# KiCad board HYDRA_VMM3_Adapter.kicad_pcb
title: HYDRA TPC to VMM3 adapter; date: 2024-04-23; rev: 0; company: TU Darmstadt; note: AUTOR: Alexandru Enciu
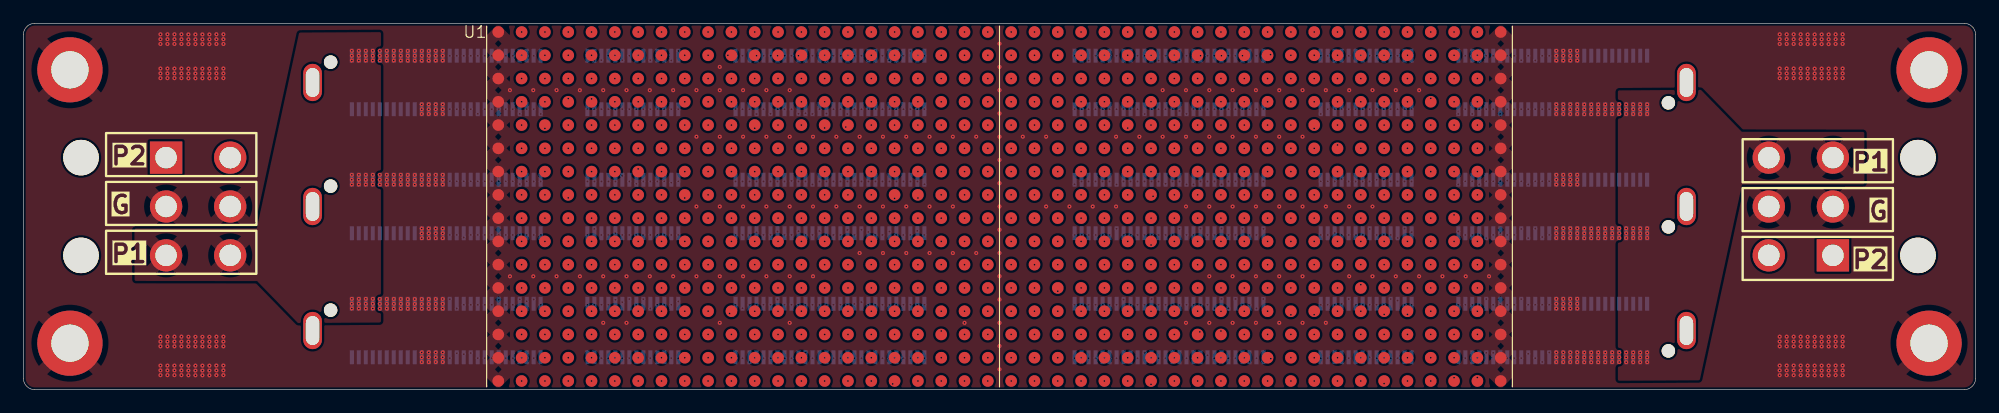
[diagram p0: board, top side]
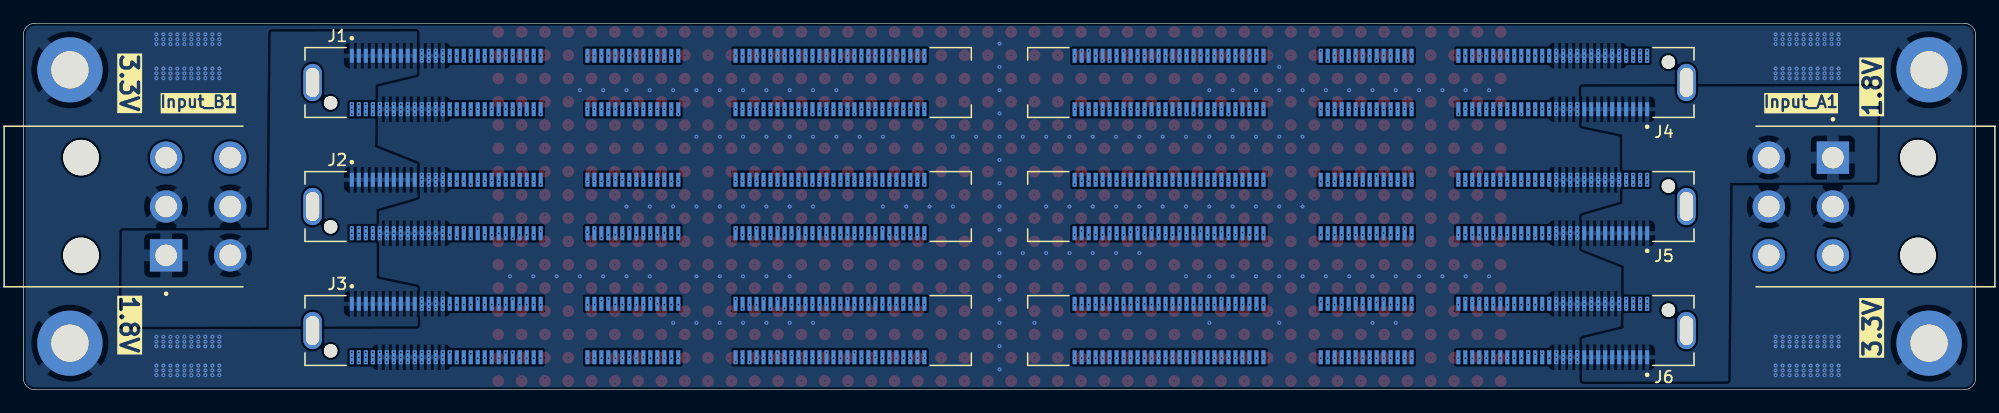
[diagram p1: board, bottom side, seen from below]

Outline 167.5 x 31.5 mm; copper layers: Top (plane), In1.Cu, In2.Cu (plane), In3.Cu, In4.Cu (plane), In5.Cu, In6.Cu (plane), Bottom (plane). Coordinates in mm from the lower left corner of the outline.
Outline path: 0,30.5 arc(0.29,31.21) 1,31.5 166.5,31.5 arc(167.21,31.21) 167.5,30.5 167.5,1 arc(167.21,0.29) 166.5,0 1,0 arc(0.29,0.29) 0,1 0,30.5
Stack: Top 0.035mm / dielectric 0.14mm FR4 er 4.5 / In1.Cu 0.035mm / dielectric 0.2mm FR4 er 4.5 / In2.Cu 0.035mm / dielectric 0.255mm FR4 er 4.5 / In3.Cu 0.035mm / dielectric 0.2mm FR4 er 4.5 / In4.Cu 0.035mm / dielectric 0.255mm FR4 er 4.5 / In5.Cu 0.035mm / dielectric 0.2mm FR4 er 4.5 / In6.Cu 0.035mm / dielectric 0.14mm FR4 er 4.5 / Bottom 0.035mm

## Placement (name value [footprint] x y rotation side)
Input_A1  39-30-1060  [MOLEX_39-30-1060]  15 15.75 90 bottom
Input_B1  39-30-1060  [MOLEX_39-30-1060]  152.5 15.75 270 bottom
J1  ME1014010101011  [AMPHENOL_ME1014010101011]  114.75 26.41 180 bottom
J2  ME1014010101011  [AMPHENOL_ME1014010101011]  114.75 15.75 180 bottom
J3  ME1014010101011  [AMPHENOL_ME1014010101011]  114.75 5.09 180 bottom
J4  ME1014010101011  [AMPHENOL_ME1014010101011]  52.75 26.41 0 bottom
J5  ME1014010101011  [AMPHENOL_ME1014010101011]  52.75 15.75 0 bottom
J6  ME1014010101011  [AMPHENOL_ME1014010101011]  52.75 5.09 0 bottom
J7  Conn_01x01_Socket  [MountingHole_3.2mm_M3_DIN965_Pad]  4 4 0 top
J8  Conn_01x01_Socket  [MountingHole_3.2mm_M3_DIN965_Pad]  163.5 4 0 top
J9  Conn_01x01_Socket  [MountingHole_3.2mm_M3_DIN965_Pad]  163.5 27.5 0 top
J10  Conn_01x01_Socket  [MountingHole_3.2mm_M3_DIN965_Pad]  4 27.5 0 top
U1  ~  [TPC_Adapter_Footprint]  40.75 32.25 0 top

## Library data of the parts
Input_A1 Input_B1 = -: MF: Molex; MAXIMUM_PACKAGE_HEIGHT: 10 mm; Package: None; Price: None; Check_prices: https://www.snapeda.com/parts/39-30-1060/Molex/view-part/?ref=eda; STANDARD: Manufacturer Recommendations; PARTREV: A; SnapEDA_Link: https://www.snapeda.com/parts/39-30-1060/Molex/view-part/?ref=snap; Purchase-URL: https://www.snapeda.com/api/url_track_click_mouser/?unipart_id=49531&manufacturer=Molex&part_name=39-30-1060&search_term=molex 39301060; Description_1: Connector Header Through Hole, Right Angle 6 position 0.165 (4.20mm); Availability: In Stock; MANUFACTURER: Molex
J1-J6 = -: PARTREV: 11; STANDARD: Manufacturer Recommendations; MAXIMUM_PACKAGE_HEIGHT: 9.1mm; MANUFACTURER: Amphenol
J7-J10 = -: Description: Generic connector, single row, 01x01, script generated; ki_fp_filters: Connector*:*_1x??_*

## Footprints (pads in the part's own frame, mm; a bottom-side part is the same pattern mirrored in y, then rotated)
AMPHENOL_ME1014010101011
  round 1.15 hole 1.15 unplated: (-26.385,-1.75)
  rect 0.35x1.2 smd: A1(-24.565,2.3) A2(-23.965,2.3) A3(-23.365,2.3) A4(-22.765,2.3) A5(-22.165,2.3) A6(-21.565,2.3) A7(-20.965,2.3) A8(-20.365,2.3) A9(-19.765,2.3) A10(-19.165,2.3) A11(-18.565,2.3) A12(-17.965,2.3) A13(-17.365,2.3) A14(-16.765,2.3) A15(-16.165,2.3) A16(-15.565,2.3) A17(-14.965,2.3) A18(-14.365,2.3) A19(-13.765,2.3) A20(-13.165,2.3) A21(-12.565,2.3) A22(-11.965,2.3) A23(-11.365,2.3) A24(-10.765,2.3) A25(-10.165,2.3) A26(-9.565,2.3) A27(-8.965,2.3) A28(-8.365,2.3) A29(-4.355,2.3) A30(-3.755,2.3) A31(-3.155,2.3) A32(-2.555,2.3) A33(-1.955,2.3) A34(-1.355,2.3) A35(-0.755,2.3) A36(-0.155,2.3) A37(0.445,2.3) A38(1.045,2.3) A39(1.645,2.3) A40(2.245,2.3) A41(2.845,2.3) A42(3.445,2.3) A43(8.355,2.3) A44(8.955,2.3) A45(9.555,2.3) A46(10.155,2.3) A47(10.755,2.3) A48(11.355,2.3) A49(11.955,2.3) A50(12.555,2.3) A51(13.155,2.3) A52(13.755,2.3) A53(14.355,2.3) A54(14.955,2.3) A55(15.555,2.3) A56(16.155,2.3) A57(16.755,2.3) A58(17.355,2.3) A59(17.955,2.3) A60(18.555,2.3) A61(19.155,2.3) A62(19.755,2.3) A63(20.355,2.3) A64(20.955,2.3) A65(21.555,2.3) A66(22.155,2.3) A67(22.755,2.3) A68(23.355,2.3) A69(23.955,2.3) A70(24.555,2.3) B1(-24.565,-2.3) B2(-23.965,-2.3) B3(-23.365,-2.3) B4(-22.765,-2.3) B5(-22.165,-2.3) B6(-21.565,-2.3) B7(-20.965,-2.3) B8(-20.365,-2.3) B9(-19.765,-2.3) B10(-19.165,-2.3) B11(-18.565,-2.3) B12(-17.965,-2.3) B13(-17.365,-2.3) B14(-16.765,-2.3) B15(-16.165,-2.3) B16(-15.565,-2.3) B17(-14.965,-2.3) B18(-14.365,-2.3) B19(-13.765,-2.3) B20(-13.165,-2.3) B21(-12.565,-2.3) B22(-11.965,-2.3) B23(-11.365,-2.3) B24(-10.765,-2.3) B25(-10.165,-2.3) B26(-9.565,-2.3) B27(-8.965,-2.3) B28(-8.365,-2.3) B29(-4.355,-2.3) B30(-3.755,-2.3) B31(-3.155,-2.3) B32(-2.555,-2.3) B33(-1.955,-2.3) B34(-1.355,-2.3) B35(-0.755,-2.3) B36(-0.155,-2.3) B37(0.445,-2.3) B38(1.045,-2.3) B39(1.645,-2.3) B40(2.245,-2.3) B41(2.845,-2.3) B42(3.445,-2.3) B43(8.355,-2.3) B44(8.955,-2.3) B45(9.555,-2.3) B46(10.155,-2.3) B47(10.755,-2.3) B48(11.355,-2.3) B49(11.955,-2.3) B50(12.555,-2.3) B51(13.155,-2.3) B52(13.755,-2.3) B53(14.355,-2.3) B54(14.955,-2.3) B55(15.555,-2.3) B56(16.155,-2.3) B57(16.755,-2.3) B58(17.355,-2.3) B59(17.955,-2.3) B60(18.555,-2.3) B61(19.155,-2.3) B62(19.755,-2.3) B63(20.355,-2.3) B64(20.955,-2.3) B65(21.555,-2.3) B66(22.155,-2.3) B67(22.755,-2.3) B68(23.355,-2.3) B69(23.955,-2.3) B70(24.555,-2.3)
  oval 1.6x3.2 hole 1.15x2.5: SH1(-27.935,0)
MOLEX_39-30-1060
  round 3.05 hole 3.05 unplated: (-4.2,-10.05) (4.2,-10.05)
  rect 2.775x2.775 hole 1.85: 1(4.2,-2.75)
  round 2.775 hole 1.85: 2(0,-2.75) 3(-4.2,-2.75) 4(4.2,2.75) 5(0,2.75) 6(-4.2,2.75)
MountingHole_3.2mm_M3_DIN965_Pad
  round 5.6 hole 3.2: 1(0,0)
TPC_Adapter_Footprint
  round 1 smd: 1(0,-1.5) 2(0,-3.5) 3(0,-5.5) 4(0,-7.5) 5(0,-9.5) 6(0,-11.5) 7(0,-13.5) 8(0,-15.5) 9(0,-17.5) 10(0,-19.5) 11(0,-21.5) 12(0,-23.5) 13(0,-25.5) 14(0,-27.5) 15(0,-29.5) 16(0,-31.5) 17(2,-1.5) 18(2,-3.5) 19(2,-5.5) 20(2,-7.5) 21(2,-9.5) 22(2,-11.5) 23(2,-13.5) 24(2,-15.5) 25(2,-17.5) 26(2,-19.5) 27(2,-21.5) 28(2,-23.5) 29(2,-25.5) 30(2,-27.5) 31(2,-29.5) 32(2,-31.5) 33(4,-1.5) 34(4,-3.5) 35(4,-5.5) 36(4,-7.5) 37(4,-9.5) 38(4,-11.5) 39(4,-13.5) 40(4,-15.5) 41(4,-17.5) 42(4,-19.5) 43(4,-21.5) 44(4,-23.5) 45(4,-25.5) 46(4,-27.5) 47(4,-29.5) 48(4,-31.5) 49(6,-1.5) 50(6,-3.5) 51(6,-5.5) 52(6,-7.5) 53(6,-9.5) 54(6,-11.5) 55(6,-13.5) 56(6,-15.5) 57(6,-17.5) 58(6,-19.5) 59(6,-21.5) 60(6,-23.5) 61(6,-25.5) 62(6,-27.5) 63(6,-29.5) 64(6,-31.5) 65(8,-1.5) 66(8,-3.5) 67(8,-5.5) 68(8,-7.5) 69(8,-9.5) 70(8,-11.5) 71(8,-13.5) 72(8,-15.5) 73(8,-17.5) 74(8,-19.5) 75(8,-21.5) 76(8,-23.5) 77(8,-25.5) 78(8,-27.5) 79(8,-29.5) 80(8,-31.5) 81(10,-1.5) 82(10,-3.5) 83(10,-5.5) 84(10,-7.5) 85(10,-9.5) 86(10,-11.5) 87(10,-13.5) 88(10,-15.5) 89(10,-17.5) 90(10,-19.5) 91(10,-21.5) 92(10,-23.5) 93(10,-25.5) 94(10,-27.5) 95(10,-29.5) 96(10,-31.5) 97(12,-1.5) 98(12,-3.5) 99(12,-5.5) 100(12,-7.5) 101(12,-9.5) 102(12,-11.5) 103(12,-13.5) 104(12,-15.5) 105(12,-17.5) 106(12,-19.5) 107(12,-21.5) 108(12,-23.5) 109(12,-25.5) 110(12,-27.5) 111(12,-29.5) 112(12,-31.5) 113(14,-1.5) 114(14,-3.5) 115(14,-5.5) 116(14,-7.5) 117(14,-9.5) 118(14,-11.5) 119(14,-13.5) 120(14,-15.5) 121(14,-17.5) 122(14,-19.5) 123(14,-21.5) 124(14,-23.5) 125(14,-25.5) 126(14,-27.5) 127(14,-29.5) 128(14,-31.5) 129(16,-1.5) 130(16,-3.5) 131(16,-5.5) 132(16,-7.5) 133(16,-9.5) 134(16,-11.5) 135(16,-13.5) 136(16,-15.5) 137(16,-17.5) 138(16,-19.5) 139(16,-21.5) 140(16,-23.5) 141(16,-25.5) 142(16,-27.5) 143(16,-29.5) 144(16,-31.5) 145(18,-1.5) 146(18,-3.5) 147(18,-5.5) 148(18,-7.5) 149(18,-9.5) 150(18,-11.5) 151(18,-13.5) 152(18,-15.5) 153(18,-17.5) 154(18,-19.5) 155(18,-21.5) 156(18,-23.5) 157(18,-25.5) 158(18,-27.5) 159(18,-29.5) 160(18,-31.5) 161(20,-1.5) 162(20,-3.5) 163(20,-5.5) 164(20,-7.5) 165(20,-9.5) 166(20,-11.5) 167(20,-13.5) 168(20,-15.5) 169(20,-17.5) 170(20,-19.5) 171(20,-21.5) 172(20,-23.5) 173(20,-25.5) 174(20,-27.5) 175(20,-29.5) 176(20,-31.5) 177(22,-1.5) 178(22,-3.5) 179(22,-5.5) 180(22,-7.5) 181(22,-9.5) 182(22,-11.5) 183(22,-13.5) 184(22,-15.5) 185(22,-17.5) 186(22,-19.5) 187(22,-21.5) 188(22,-23.5) 189(22,-25.5) 190(22,-27.5) 191(22,-29.5) 192(22,-31.5) 193(24,-1.5) 194(24,-3.5) 195(24,-5.5) 196(24,-7.5) 197(24,-9.5) 198(24,-11.5) 199(24,-13.5) 200(24,-15.5) 201(24,-17.5) 202(24,-19.5) 203(24,-21.5) 204(24,-23.5) 205(24,-25.5) 206(24,-27.5) 207(24,-29.5) 208(24,-31.5) 209(26,-1.5) 210(26,-3.5) 211(26,-5.5) 212(26,-7.5) 213(26,-9.5) 214(26,-11.5) 215(26,-13.5) 216(26,-15.5) 217(26,-17.5) 218(26,-19.5) 219(26,-21.5) 220(26,-23.5) 221(26,-25.5) 222(26,-27.5) 223(26,-29.5) 224(26,-31.5) 225(28,-1.5) 226(28,-3.5) 227(28,-5.5) 228(28,-7.5) 229(28,-9.5) 230(28,-11.5) 231(28,-13.5) 232(28,-15.5) 233(28,-17.5) 234(28,-19.5) 235(28,-21.5) 236(28,-23.5) 237(28,-25.5) 238(28,-27.5) 239(28,-29.5) 240(28,-31.5) 241(30,-1.5) 242(30,-3.5) 243(30,-5.5) 244(30,-7.5) 245(30,-9.5) 246(30,-11.5) 247(30,-13.5) 248(30,-15.5) 249(30,-17.5) 250(30,-19.5) 251(30,-21.5) 252(30,-23.5) 253(30,-25.5) 254(30,-27.5) 255(30,-29.5) 256(30,-31.5) 257(32,-1.5) 258(32,-3.5) 259(32,-5.5) 260(32,-7.5) 261(32,-9.5) 262(32,-11.5) 263(32,-13.5) 264(32,-15.5) 265(32,-17.5) 266(32,-19.5) 267(32,-21.5) 268(32,-23.5) 269(32,-25.5) 270(32,-27.5) 271(32,-29.5) 272(32,-31.5) 273(34,-1.5) 274(34,-3.5) 275(34,-5.5) 276(34,-7.5) 277(34,-9.5) 278(34,-11.5) 279(34,-13.5) 280(34,-15.5) 281(34,-17.5) 282(34,-19.5) 283(34,-21.5) 284(34,-23.5) 285(34,-25.5) 286(34,-27.5) 287(34,-29.5) 288(34,-31.5) 289(36,-1.5) 290(36,-3.5) 291(36,-5.5) 292(36,-7.5) 293(36,-9.5) 294(36,-11.5) 295(36,-13.5) 296(36,-15.5) 297(36,-17.5) 298(36,-19.5) 299(36,-21.5) 300(36,-23.5) 301(36,-25.5) 302(36,-27.5) 303(36,-29.5) 304(36,-31.5) 305(38,-1.5) 306(38,-3.5) 307(38,-5.5) 308(38,-7.5) 309(38,-9.5) 310(38,-11.5) 311(38,-13.5) 312(38,-15.5) 313(38,-17.5) 314(38,-19.5) 315(38,-21.5) 316(38,-23.5) 317(38,-25.5) 318(38,-27.5) 319(38,-29.5) 320(38,-31.5) 321(40,-1.5) 322(40,-3.5) 323(40,-5.5) 324(40,-7.5) 325(40,-9.5) 326(40,-11.5) 327(40,-13.5) 328(40,-15.5) 329(40,-17.5) 330(40,-19.5) 331(40,-21.5) 332(40,-23.5) 333(40,-25.5) 334(40,-27.5) 335(40,-29.5) 336(40,-31.5) 337(42,-1.5) 338(42,-3.5) 339(42,-5.5) 340(42,-7.5) 341(42,-9.5) 342(42,-11.5) 343(42,-13.5) 344(42,-15.5) 345(42,-17.5) 346(42,-19.5) 347(42,-21.5) 348(42,-23.5) 349(42,-25.5) 350(42,-27.5) 351(42,-29.5) 352(42,-31.5) 353(44,-1.5) 354(44,-3.5) 355(44,-5.5) 356(44,-7.5) 357(44,-9.5) 358(44,-11.5) 359(44,-13.5) 360(44,-15.5) 361(44,-17.5) 362(44,-19.5) 363(44,-21.5) 364(44,-23.5) 365(44,-25.5) 366(44,-27.5) 367(44,-29.5) 368(44,-31.5) 369(46,-1.5) 370(46,-3.5) 371(46,-5.5) 372(46,-7.5) 373(46,-9.5) 374(46,-11.5) 375(46,-13.5) 376(46,-15.5) 377(46,-17.5) 378(46,-19.5) 379(46,-21.5) 380(46,-23.5) 381(46,-25.5) 382(46,-27.5) 383(46,-29.5) 384(46,-31.5) 385(48,-1.5) 386(48,-3.5) 387(48,-5.5) 388(48,-7.5) 389(48,-9.5) 390(48,-11.5) 391(48,-13.5) 392(48,-15.5) 393(48,-17.5) 394(48,-19.5) 395(48,-21.5) 396(48,-23.5) 397(48,-25.5) 398(48,-27.5) 399(48,-29.5) 400(48,-31.5) 401(50,-1.5) 402(50,-3.5) 403(50,-5.5) 404(50,-7.5) 405(50,-9.5) 406(50,-11.5) 407(50,-13.5) 408(50,-15.5) 409(50,-17.5) 410(50,-19.5) 411(50,-21.5) 412(50,-23.5) 413(50,-25.5) 414(50,-27.5) 415(50,-29.5) 416(50,-31.5) 417(52,-1.5) 418(52,-3.5) 419(52,-5.5) 420(52,-7.5) 421(52,-9.5) 422(52,-11.5) 423(52,-13.5) 424(52,-15.5) 425(52,-17.5) 426(52,-19.5) 427(52,-21.5) 428(52,-23.5) 429(52,-25.5) 430(52,-27.5) 431(52,-29.5) 432(52,-31.5) 433(54,-1.5) 434(54,-3.5) 435(54,-5.5) 436(54,-7.5) 437(54,-9.5) 438(54,-11.5) 439(54,-13.5) 440(54,-15.5) 441(54,-17.5) 442(54,-19.5) 443(54,-21.5) 444(54,-23.5) 445(54,-25.5) 446(54,-27.5) 447(54,-29.5) 448(54,-31.5) 449(56,-1.5) 450(56,-3.5) 451(56,-5.5) 452(56,-7.5) 453(56,-9.5) 454(56,-11.5) 455(56,-13.5) 456(56,-15.5) 457(56,-17.5) 458(56,-19.5) 459(56,-21.5) 460(56,-23.5) 461(56,-25.5) 462(56,-27.5) 463(56,-29.5) 464(56,-31.5) 465(58,-1.5) 466(58,-3.5) 467(58,-5.5) 468(58,-7.5) 469(58,-9.5) 470(58,-11.5) 471(58,-13.5) 472(58,-15.5) 473(58,-17.5) 474(58,-19.5) 475(58,-21.5) 476(58,-23.5) 477(58,-25.5) 478(58,-27.5) 479(58,-29.5) 480(58,-31.5) 481(60,-1.5) 482(60,-3.5) 483(60,-5.5) 484(60,-7.5) 485(60,-9.5) 486(60,-11.5) 487(60,-13.5) 488(60,-15.5) 489(60,-17.5) 490(60,-19.5) 491(60,-21.5) 492(60,-23.5) 493(60,-25.5) 494(60,-27.5) 495(60,-29.5) 496(60,-31.5) 497(62,-1.5) 498(62,-3.5) 499(62,-5.5) 500(62,-7.5) 501(62,-9.5) 502(62,-11.5) 503(62,-13.5) 504(62,-15.5) 505(62,-17.5) 506(62,-19.5) 507(62,-21.5) 508(62,-23.5) 509(62,-25.5) 510(62,-27.5) 511(62,-29.5) 512(62,-31.5) 513(64,-1.5) 514(64,-3.5) 515(64,-5.5) 516(64,-7.5) 517(64,-9.5) 518(64,-11.5) 519(64,-13.5) 520(64,-15.5) 521(64,-17.5) 522(64,-19.5) 523(64,-21.5) 524(64,-23.5) 525(64,-25.5) 526(64,-27.5) 527(64,-29.5) 528(64,-31.5) 529(66,-1.5) 530(66,-3.5) 531(66,-5.5) 532(66,-7.5) 533(66,-9.5) 534(66,-11.5) 535(66,-13.5) 536(66,-15.5) 537(66,-17.5) 538(66,-19.5) 539(66,-21.5) 540(66,-23.5) 541(66,-25.5) 542(66,-27.5) 543(66,-29.5) 544(66,-31.5) 545(68,-1.5) 546(68,-3.5) 547(68,-5.5) 548(68,-7.5) 549(68,-9.5) 550(68,-11.5) 551(68,-13.5) 552(68,-15.5) 553(68,-17.5) 554(68,-19.5) 555(68,-21.5) 556(68,-23.5) 557(68,-25.5) 558(68,-27.5) 559(68,-29.5) 560(68,-31.5) 561(70,-1.5) 562(70,-3.5) 563(70,-5.5) 564(70,-7.5) 565(70,-9.5) 566(70,-11.5) 567(70,-13.5) 568(70,-15.5) 569(70,-17.5) 570(70,-19.5) 571(70,-21.5) 572(70,-23.5) 573(70,-25.5) 574(70,-27.5) 575(70,-29.5) 576(70,-31.5) 577(72,-1.5) 578(72,-3.5) 579(72,-5.5) 580(72,-7.5) 581(72,-9.5) 582(72,-11.5) 583(72,-13.5) 584(72,-15.5) 585(72,-17.5) 586(72,-19.5) 587(72,-21.5) 588(72,-23.5) 589(72,-25.5) 590(72,-27.5) 591(72,-29.5) 592(72,-31.5) 593(74,-1.5) 594(74,-3.5) 595(74,-5.5) 596(74,-7.5) 597(74,-9.5) 598(74,-11.5) 599(74,-13.5) 600(74,-15.5) 601(74,-17.5) 602(74,-19.5) 603(74,-21.5) 604(74,-23.5) 605(74,-25.5) 606(74,-27.5) 607(74,-29.5) 608(74,-31.5) 609(76,-1.5) 610(76,-3.5) 611(76,-5.5) 612(76,-7.5) 613(76,-9.5) 614(76,-11.5) 615(76,-13.5) 616(76,-15.5) 617(76,-17.5) 618(76,-19.5) 619(76,-21.5) 620(76,-23.5) 621(76,-25.5) 622(76,-27.5) 623(76,-29.5) 624(76,-31.5) 625(78,-1.5) 626(78,-3.5) 627(78,-5.5) 628(78,-7.5) 629(78,-9.5) 630(78,-11.5) 631(78,-13.5) 632(78,-15.5) 633(78,-17.5) 634(78,-19.5) 635(78,-21.5) 636(78,-23.5) 637(78,-25.5) 638(78,-27.5) 639(78,-29.5) 640(78,-31.5) 641(80,-1.5) 642(80,-3.5) 643(80,-5.5) 644(80,-7.5) 645(80,-9.5) 646(80,-11.5) 647(80,-13.5) 648(80,-15.5) 649(80,-17.5) 650(80,-19.5) 651(80,-21.5) 652(80,-23.5) 653(80,-25.5) 654(80,-27.5) 655(80,-29.5) 656(80,-31.5) 657(82,-1.5) 658(82,-3.5) 659(82,-5.5) 660(82,-7.5) 661(82,-9.5) 662(82,-11.5) 663(82,-13.5) 664(82,-15.5) 665(82,-17.5) 666(82,-19.5) 667(82,-21.5) 668(82,-23.5) 669(82,-25.5) 670(82,-27.5) 671(82,-29.5) 672(82,-31.5) 673(84,-1.5) 674(84,-3.5) 675(84,-5.5) 676(84,-7.5) 677(84,-9.5) 678(84,-11.5) 679(84,-13.5) 680(84,-15.5) 681(84,-17.5) 682(84,-19.5) 683(84,-21.5) 684(84,-23.5) 685(84,-25.5) 686(84,-27.5) 687(84,-29.5) 688(84,-31.5) 689(86,-1.5) 690(86,-3.5) 691(86,-5.5) 692(86,-7.5) 693(86,-9.5) 694(86,-11.5) 695(86,-13.5) 696(86,-15.5) 697(86,-17.5) 698(86,-19.5) 699(86,-21.5) 700(86,-23.5) 701(86,-25.5) 702(86,-27.5) 703(86,-29.5) 704(86,-31.5)

## Nets
GND: Input_A1.2 Input_A1.5 Input_B1.2 Input_B1.5 J1.A11 J1.A12 J1.A13 J1.A14 J1.B5 J1.B6 J1.B7 J1.B8 J1.B9 J1.B10 J1.B11 J1.B12 J1.B13 J1.B14 J2.A11 J2.A12 J2.A13 J2.A14 J2.B5 J2.B6 J2.B7 J2.B8 J2.B9 J2.B10 J2.B11 J2.B12 J2.B13 J2.B14 J3.A11 J3.A12 J3.A13 J3.A14 J3.B5 J3.B6 J3.B7 J3.B8 J3.B9 J3.B10 J3.B11 J3.B12 J3.B13 J3.B14 J4.A11 J4.A12 J4.A13 J4.A14 J4.B5 J4.B6 J4.B7 J4.B8 J4.B9 J4.B10 J4.B11 J4.B12 J4.B13 J4.B14 J5.A11 J5.A12 J5.A13 J5.A14 J5.B5 J5.B6 J5.B7 J5.B8 J5.B9 J5.B10 J5.B11 J5.B12 J5.B13 J5.B14 J6.A11 J6.A12 J6.A13 J6.A14 J6.B5 J6.B6 J6.B7 J6.B8 J6.B9 J6.B10 J6.B11 J6.B12 J6.B13 J6.B14 J7.1 J8.1 J9.1 J10.1 U1.1 U1.2 U1.3 U1.4 U1.5 U1.6 U1.7 U1.8 U1.9 U1.10 U1.11 U1.12 U1.13 U1.14 U1.15 U1.16 U1.689 U1.690 U1.691 U1.692 U1.693 U1.694 U1.695 U1.696 U1.697 U1.698 U1.699 U1.700 U1.701 U1.702 U1.703 U1.704
Col_2-Row_1: J4.B15 U1.17
Col_2-Row_2: J4.B16 U1.18
Col_2-Row_3: J4.B17 U1.19
Col_2-Row_4: J4.A15 U1.20
Col_2-Row_5: J4.A16 U1.21
Col_2-Row_6: J4.A17 U1.22
Col_2-Row_7: J5.B16 U1.23
Col_2-Row_8: J5.B15 U1.24
Col_2-Row_9: J5.A15 U1.25
Col_2-Row_10: J5.A16 U1.26
Col_2-Row_11: J5.A17 U1.27
Col_2-Row_12: J6.B23 U1.28
Col_2-Row_13: J6.B22 U1.29
Col_2-Row_14: J6.B15 U1.30
Col_2-Row_15: J6.B16 U1.31
Col_2-Row_16: J6.B17 U1.32
Col_3-Row_1: J4.B18 U1.33
Col_3-Row_2: J4.B19 U1.34
Col_3-Row_3: J4.B20 U1.35
Col_3-Row_4: J4.A18 U1.36
Col_3-Row_5: J4.A19 U1.37
Col_3-Row_6: J4.A20 U1.38
Col_3-Row_7: J5.B18 U1.39
Col_3-Row_8: J5.B17 U1.40
Col_3-Row_9: J5.A18 U1.41
Col_3-Row_10: J5.A19 U1.42
Col_3-Row_11: J5.A20 U1.43
Col_3-Row_12: J6.B25 U1.44
Col_3-Row_13: J6.B24 U1.45
Col_3-Row_14: J6.B18 U1.46
Col_3-Row_15: J6.B19 U1.47
Col_3-Row_16: J6.B20 U1.48
Col_4-Row_1: J4.B21 U1.49
Col_4-Row_2: J4.B22 U1.50
Col_4-Row_3: J4.B23 U1.51
Col_4-Row_4: J4.A21 U1.52
Col_4-Row_5: J4.A22 U1.53
Col_4-Row_6: J4.A23 U1.54
Col_4-Row_7: J5.B20 U1.55
Col_4-Row_8: J5.B19 U1.56
Col_4-Row_9: J5.A21 U1.57
Col_4-Row_10: J5.A22 U1.58
Col_4-Row_11: J5.A23 U1.59
Col_4-Row_12: J6.B27 U1.60
Col_4-Row_13: J6.B26 U1.61
Col_4-Row_14: J6.B21 U1.62
Col_4-Row_15: J6.A15 U1.63
Col_4-Row_16: J6.A16 U1.64
Col_5-Row_1: J4.B24 U1.65
Col_5-Row_2: J4.B25 U1.66
Col_5-Row_3: J4.B26 U1.67
Col_5-Row_4: J4.A24 U1.68
Col_5-Row_5: J4.A25 U1.69
Col_5-Row_6: J4.A26 U1.70
Col_5-Row_7: J5.B22 U1.71
Col_5-Row_8: J5.B21 U1.72
Col_5-Row_9: J5.A24 U1.73
Col_5-Row_10: J5.A25 U1.74
Col_5-Row_11: J5.A26 U1.75
Col_5-Row_12: J6.B29 U1.76
Col_5-Row_13: J6.B28 U1.77
Col_5-Row_14: J6.A17 U1.78
Col_5-Row_15: J6.A18 U1.79
Col_5-Row_16: J6.A19 U1.80
Col_6-Row_1: J4.B27 U1.81
Col_6-Row_2: J4.B28 U1.82
Col_6-Row_3: J4.B30 U1.83
Col_6-Row_4: J4.A27 U1.84
Col_6-Row_5: J4.A28 U1.85
Col_6-Row_6: J4.A29 U1.86
Col_6-Row_7: J5.B24 U1.87
Col_6-Row_8: J5.B23 U1.88
Col_6-Row_9: J5.A27 U1.89
Col_6-Row_10: J5.A28 U1.90
Col_6-Row_11: J5.A29 U1.91
Col_6-Row_12: J6.B31 U1.92
Col_6-Row_13: J6.B30 U1.93
Col_6-Row_14: J6.A20 U1.94
Col_6-Row_15: J6.A21 U1.95
Col_6-Row_16: J6.A22 U1.96
Col_7-Row_1: J4.B29 U1.97
Col_7-Row_2: J4.B31 U1.98
Col_7-Row_3: J4.B32 U1.99
Col_7-Row_4: J4.A30 U1.100
Col_7-Row_5: J4.A31 U1.101
Col_7-Row_6: J4.A32 U1.102
Col_7-Row_7: J5.B26 U1.103
Col_7-Row_8: J5.B25 U1.104
Col_7-Row_9: J5.A30 U1.105
Col_7-Row_10: J5.A31 U1.106
Col_7-Row_11: J5.A32 U1.107
Col_7-Row_12: J6.B33 U1.108
Col_7-Row_13: J6.B32 U1.109
Col_7-Row_14: J6.A23 U1.110
Col_7-Row_15: J6.A24 U1.111
Col_7-Row_16: J6.A25 U1.112
Col_8-Row_1: J4.B33 U1.113
Col_8-Row_2: J4.B34 U1.114
Col_8-Row_3: J4.B35 U1.115
Col_8-Row_4: J4.A33 U1.116
Col_8-Row_5: J4.A34 U1.117
Col_8-Row_6: J4.A35 U1.118
Col_8-Row_7: J5.B28 U1.119
Col_8-Row_8: J5.B27 U1.120
Col_8-Row_9: J5.A33 U1.121
Col_8-Row_10: J5.A34 U1.122
Col_8-Row_11: J5.A35 U1.123
Col_8-Row_12: J6.B35 U1.124
Col_8-Row_13: J6.B34 U1.125
Col_8-Row_14: J6.A26 U1.126
Col_8-Row_15: J6.A27 U1.127
Col_8-Row_16: J6.A28 U1.128
Col_9-Row_1: J4.B36 U1.129
Col_9-Row_2: J4.B37 U1.130
Col_9-Row_3: J4.B38 U1.131
Col_9-Row_4: J4.A37 U1.132
Col_9-Row_5: J4.A36 U1.133
Col_9-Row_6: J5.B31 U1.134
Col_9-Row_7: J5.B30 U1.135
Col_9-Row_8: J5.B29 U1.136
Col_9-Row_9: J5.A36 U1.137
Col_9-Row_10: J5.A37 U1.138
Col_9-Row_11: J5.A38 U1.139
Col_9-Row_12: J6.B37 U1.140
Col_9-Row_13: J6.B36 U1.141
Col_9-Row_14: J6.A29 U1.142
Col_9-Row_15: J6.A30 U1.143
Col_9-Row_16: J6.A31 U1.144
Col_10-Row_1: J4.B39 U1.145
Col_10-Row_2: J4.B40 U1.146
Col_10-Row_3: J4.B41 U1.147
Col_10-Row_4: J4.A39 U1.148
Col_10-Row_5: J4.A38 U1.149
Col_10-Row_6: J5.B34 U1.150
Col_10-Row_7: J5.B33 U1.151
Col_10-Row_8: J5.B32 U1.152
Col_10-Row_9: J5.A39 U1.153
Col_10-Row_10: J5.A40 U1.154
Col_10-Row_11: J5.A41 U1.155
Col_10-Row_12: J6.B39 U1.156
Col_10-Row_13: J6.B38 U1.157
Col_10-Row_14: J6.A32 U1.158
Col_10-Row_15: J6.A33 U1.159
Col_10-Row_16: J6.A34 U1.160
Col_11-Row_1: J4.B42 U1.161
Col_11-Row_2: J4.B43 U1.162
Col_11-Row_3: J4.B44 U1.163
Col_11-Row_4: J4.A41 U1.164
Col_11-Row_5: J4.A40 U1.165
Col_11-Row_6: J5.B37 U1.166
Col_11-Row_7: J5.B36 U1.167
Col_11-Row_8: J5.B35 U1.168
Col_11-Row_9: J5.A42 U1.169
Col_11-Row_10: J5.A43 U1.170
Col_11-Row_11: J5.A44 U1.171
Col_11-Row_12: J6.B41 U1.172
Col_11-Row_13: J6.B40 U1.173
Col_11-Row_14: J6.A35 U1.174
Col_11-Row_15: J6.A36 U1.175
Col_11-Row_16: J6.A37 U1.176
Col_12-Row_1: J4.B45 U1.177
Col_12-Row_2: J4.B46 U1.178
Col_12-Row_3: J4.B47 U1.179
Col_12-Row_4: J4.A43 U1.180
Col_12-Row_5: J4.A42 U1.181
Col_12-Row_6: J5.B40 U1.182
Col_12-Row_7: J5.B39 U1.183
Col_12-Row_8: J5.B38 U1.184
Col_12-Row_9: J5.A45 U1.185
Col_12-Row_10: J5.A46 U1.186
Col_12-Row_11: J5.A47 U1.187
Col_12-Row_12: J6.B43 U1.188
Col_12-Row_13: J6.B42 U1.189
Col_12-Row_14: J6.A38 U1.190
Col_12-Row_15: J6.A39 U1.191
Col_12-Row_16: J6.A40 U1.192
Col_13-Row_1: J4.B48 U1.193
Col_13-Row_2: J4.B49 U1.194
Col_13-Row_3: J4.B50 U1.195
Col_13-Row_4: J4.A45 U1.196
Col_13-Row_5: J4.A44 U1.197
Col_13-Row_6: J5.B43 U1.198
Col_13-Row_7: J5.B42 U1.199
Col_13-Row_8: J5.B41 U1.200
Col_13-Row_9: J5.A48 U1.201
Col_13-Row_10: J5.A49 U1.202
Col_13-Row_11: J5.A50 U1.203
Col_13-Row_12: J6.B45 U1.204
Col_13-Row_13: J6.B44 U1.205
Col_13-Row_14: J6.A41 U1.206
Col_13-Row_15: J6.A42 U1.207
Col_13-Row_16: J6.A43 U1.208
Col_14-Row_1: J4.B51 U1.209
Col_14-Row_2: J4.B52 U1.210
Col_14-Row_3: J4.B53 U1.211
Col_14-Row_4: J4.A47 U1.212
Col_14-Row_5: J4.A46 U1.213
Col_14-Row_6: J5.B46 U1.214
Col_14-Row_7: J5.B45 U1.215
Col_14-Row_8: J5.B44 U1.216
Col_14-Row_9: J5.A51 U1.217
Col_14-Row_10: J5.A52 U1.218
Col_14-Row_11: J5.A53 U1.219
Col_14-Row_12: J6.B47 U1.220
Col_14-Row_13: J6.B46 U1.221
Col_14-Row_14: J6.A44 U1.222
Col_14-Row_15: J6.A45 U1.223
Col_14-Row_16: J6.A46 U1.224
Col_15-Row_1: J4.B54 U1.225
Col_15-Row_2: J4.B55 U1.226
Col_15-Row_3: J4.B56 U1.227
Col_15-Row_4: J4.A49 U1.228
Col_15-Row_5: J4.A48 U1.229
Col_15-Row_6: J5.B49 U1.230
Col_15-Row_7: J5.B48 U1.231
Col_15-Row_8: J5.B47 U1.232
Col_15-Row_9: J5.A54 U1.233
Col_15-Row_10: J5.A55 U1.234
Col_15-Row_11: J5.A56 U1.235
Col_15-Row_12: J6.B49 U1.236
Col_15-Row_13: J6.B48 U1.237
Col_15-Row_14: J6.A47 U1.238
Col_15-Row_15: J6.A48 U1.239
Col_15-Row_16: J6.A49 U1.240
Col_16-Row_1: J4.B57 U1.241
Col_16-Row_2: J4.B58 U1.242
Col_16-Row_3: J4.B59 U1.243
Col_16-Row_4: J4.A51 U1.244
Col_16-Row_5: J4.A50 U1.245
Col_16-Row_6: J5.B52 U1.246
Col_16-Row_7: J5.B51 U1.247
Col_16-Row_8: J5.B50 U1.248
Col_16-Row_9: J5.A57 U1.249
Col_16-Row_10: J5.A58 U1.250
Col_16-Row_11: J6.B52 U1.251
Col_16-Row_12: J6.B51 U1.252
Col_16-Row_13: J6.B50 U1.253
Col_16-Row_14: J6.A50 U1.254
Col_16-Row_15: J6.A51 U1.255
Col_16-Row_16: J6.A52 U1.256
Col_17-Row_1: J4.B60 U1.257
Col_17-Row_2: J4.B61 U1.258
Col_17-Row_3: J4.B62 U1.259
Col_17-Row_4: J4.A53 U1.260
Col_17-Row_5: J4.A52 U1.261
Col_17-Row_6: J5.B55 U1.262
Col_17-Row_7: J5.B54 U1.263
Col_17-Row_8: J5.B53 U1.264
Col_17-Row_9: J5.A59 U1.265
Col_17-Row_10: J5.A60 U1.266
Col_17-Row_11: J6.B55 U1.267
Col_17-Row_12: J6.B54 U1.268
Col_17-Row_13: J6.B53 U1.269
Col_17-Row_14: J6.A53 U1.270
Col_17-Row_15: J6.A54 U1.271
Col_17-Row_16: J6.A55 U1.272
Col_18-Row_1: J4.B63 U1.273
Col_18-Row_2: J4.B64 U1.274
Col_18-Row_3: J4.B65 U1.275
Col_18-Row_4: J4.A55 U1.276
Col_18-Row_5: J4.A54 U1.277
Col_18-Row_6: J5.B58 U1.278
Col_18-Row_7: J5.B57 U1.279
Col_18-Row_8: J5.B56 U1.280
Col_18-Row_9: J5.A61 U1.281
Col_18-Row_10: J5.A62 U1.282
Col_18-Row_11: J6.B58 U1.283
Col_18-Row_12: J6.B57 U1.284
Col_18-Row_13: J6.B56 U1.285
Col_18-Row_14: J6.A56 U1.286
Col_18-Row_15: J6.A57 U1.287
Col_18-Row_16: J6.A58 U1.288
Col_19-Row_1: J4.B66 U1.291
Col_19-Row_2: J4.B67 U1.290
Col_19-Row_3: J4.B68 U1.289
Col_19-Row_4: J4.A57 U1.292
Col_19-Row_5: J4.A56 U1.293
Col_19-Row_6: J5.B61 U1.294